# Allegro board 6089-103-RevA_73.brd (continued)
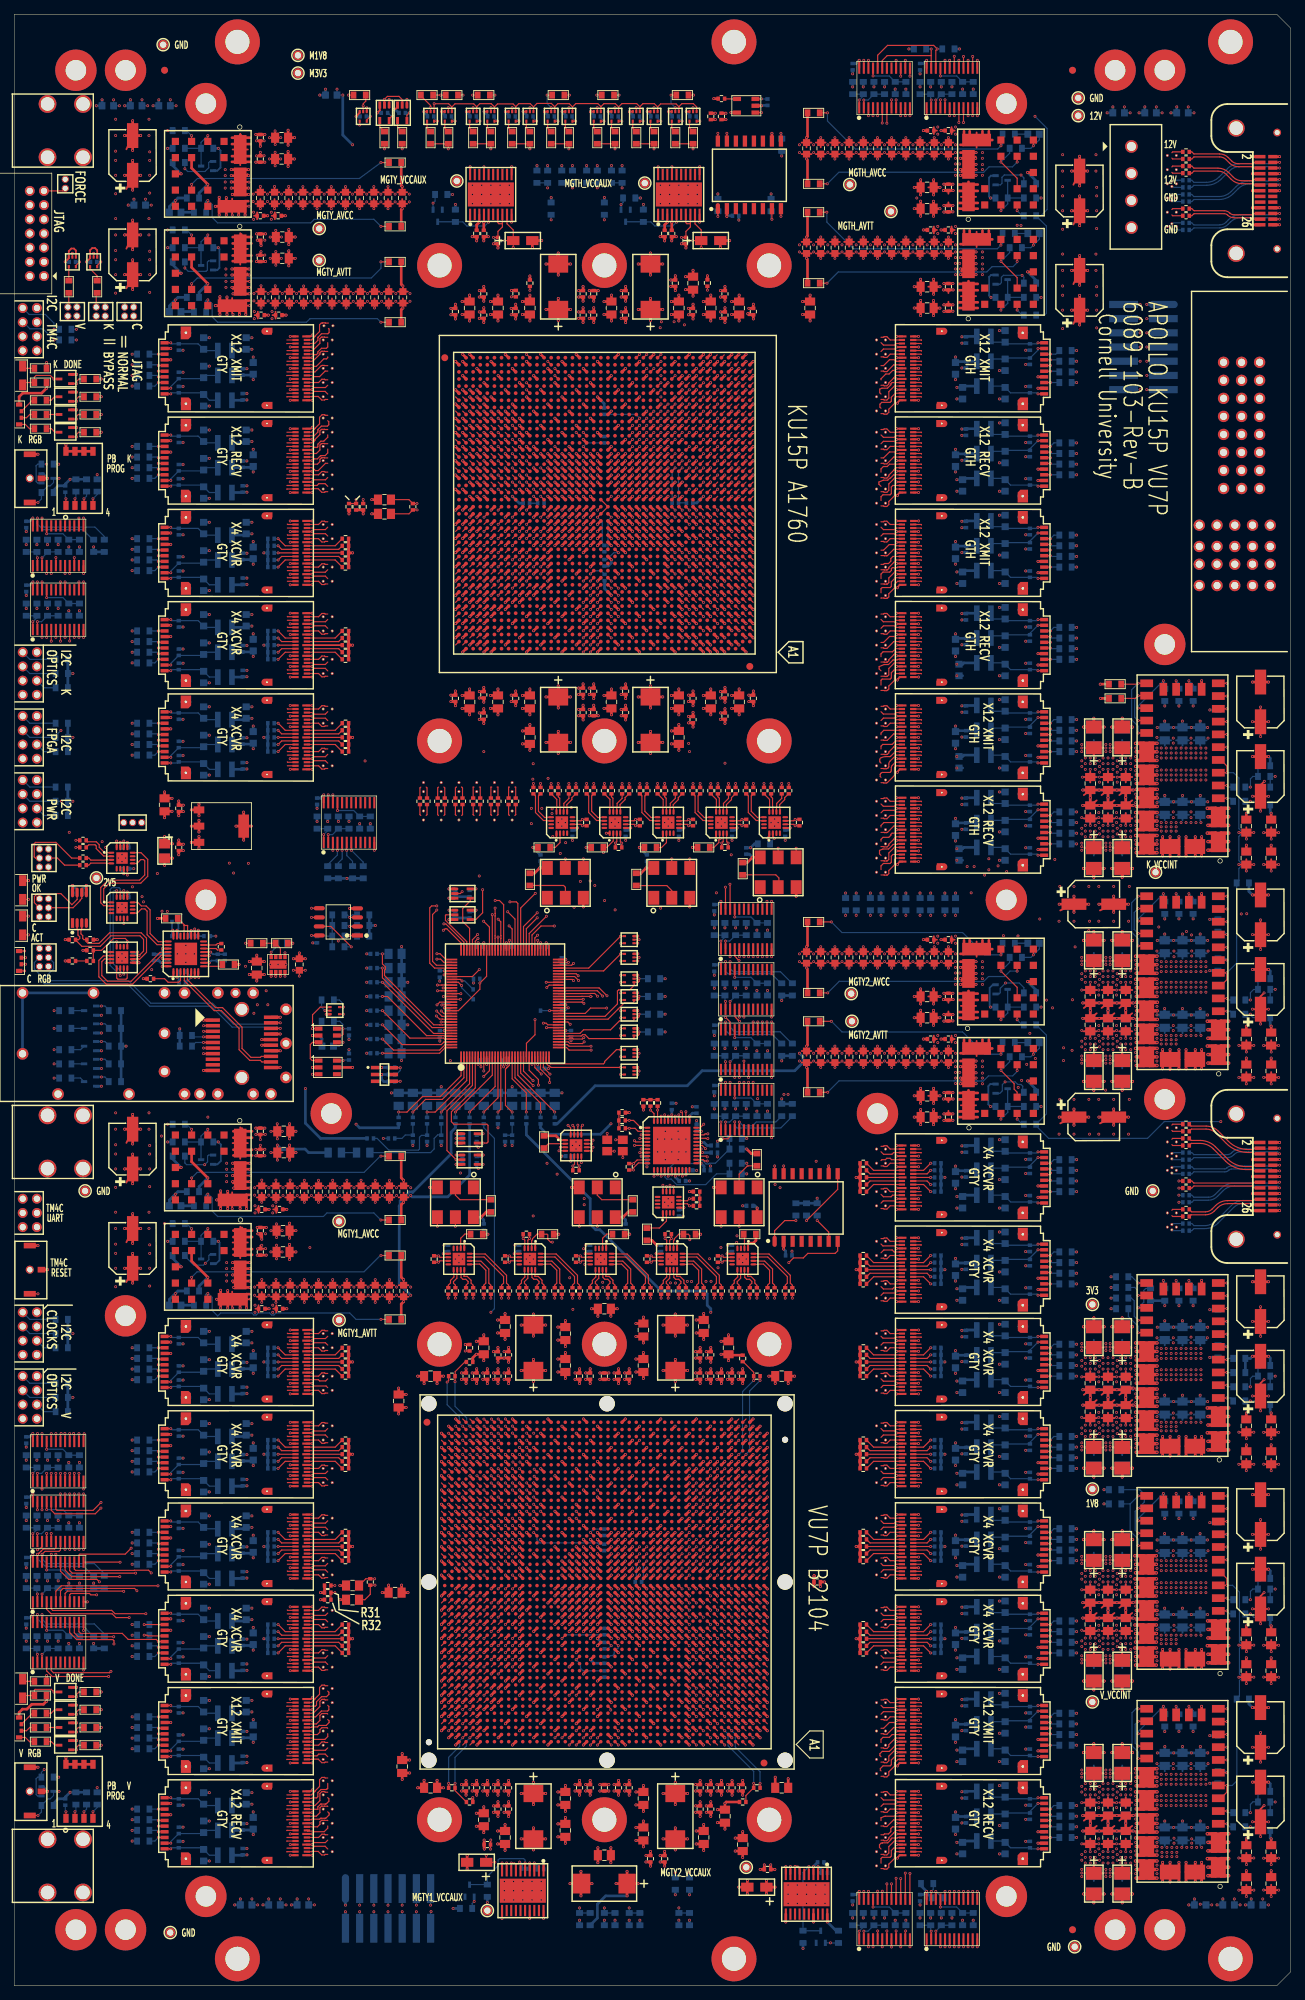
[diagram p0: board, top side]
## Routing (per net, layer and track width the routed paths; a pad name or vN(x,y) marks a point on that pad's centre or on a via; arc(x,y) is an arc through that point) (continued)
VA100.4 ; VA100.4 121.24,157.22 ; VA100.4 121.56,157.28 ; VA100.4 121.18,156.9 ; VA100.4 121.15,157.09 ; VA100.4 121.38,156.49 ; VA100.4 121.56,156.52 ; VA100.4 121.15,156.71 ; VA128.3 123.16,33.58 ; VA128.3 123.22,33.9 ; VA128.3 122.83,33.52 ; VA128.3 123.16,34.22 ; VA128.3 123.02,34.31 ; VA128.3 122.83,34.28 ; VA128.3 123.25,33.71 ; VA128.3 123.25,34.09 ; VA17.4 45.16,191.22 ; VA17.4 45.25,191.09 ; VA17.4 45.02,191.31 ; VA17.4 45.22,190.9 ; VA17.4 45.25,190.71 ; VA17.4 44.84,190.52 ; VA17.4 45.16,190.58 ; VA17.4 44.84,191.28 ; 121.24,102.58 VA106.3 ; VA106.3 121.38,102.49 ; VA106.3 121.18,102.9 ; VA106.3 121.15,102.71 ; VA106.3 121.24,103.22 ; VA106.3 121.56,103.28 ; VA106.3 121.56,102.52 ; VA106.3 121.15,103.09 ; 23.81,39.97 U29.G1 ; U29.G1 24.93,40.18 ; U29.G1 23.49,41.62 ; U29.G1 24.93,41.62 ; U29.G1 24.21,39.96 ; U29.G1 23.49,40.18 ; U29.G1 24.21,41.84 ; U29.G1 25.15,40.9 ; 43.38,35.49 43.56,35.9 ; 43.56,35.9 43.56,35.52 ; 43.56,35.9 43.24,36.22 ; 43.56,35.9 43.15,35.71 ; 43.56,35.9 43.15,36.09 ; 43.56,35.9 43.24,35.58 ; 43.56,35.9 43.18,35.9 ; 43.56,35.9 43.56,36.28 ; P1.9 173.77,211.71 ; P1.9 173.03,211.95 ; P1.9 172.05,210.97 ; P1.9 172.29,211.71 ; P1.9 172.29,210.23 ; P1.9 174.01,210.97 ; P1.9 173.77,210.23 ; P1.9 173.03,209.99 ; 43.24,92.22 43.56,91.9 ; 43.56,91.9 43.18,91.9 ; 43.56,91.9 43.56,91.52 ; 43.56,91.9 43.56,92.28 ; 43.56,91.9 43.24,91.58 ; 43.56,91.9 43.15,91.71 ; 43.56,91.9 43.15,92.09 ; 43.56,91.9 43.38,91.49 ; 65.2,168.26 65.52,167.94 ; 65.2,168.26 65.01,167.85 ; 65.2,168.26 65.2,167.88 ; 65.2,168.26 65.61,168.08 ; 65.2,168.26 65.58,168.26 ; 65.2,168.26 64.88,167.94 ; 65.2,168.26 64.82,168.26 ; 65.2,168.26 64.79,168.08 ; 149.5,4.62 PM23.1 ; PM23.1 148.62,5.5 ; PM23.1 148.83,4.83 ; PM23.1 148.83,6.17 ; PM23.1 149.5,6.38 ; PM23.1 150.17,4.83 ; PM23.1 150.38,5.5 ; PM23.1 150.17,6.17 ; J8.7 2.08,79.9 ; J8.7 1.2,79.02 ; J8.7 1.58,80.77 ; J8.7 1.2,80.78 ; J8.7 2.07,80.28 ; J8.7 1.87,79.23 ; J8.7 1.87,80.57 ; J8.7 2.07,79.52 ; 67.29,168.08 67.7,168.26 ; 67.7,168.26 67.38,167.94 ; 67.7,168.26 67.51,167.85 ; 67.7,168.26 67.32,168.26 ; 67.7,168.26 68.02,167.94 ; 67.7,168.26 68.08,168.26 ; 67.7,168.26 68.11,168.08 ; 67.7,168.26 67.7,167.88 ; 3.53,250.23 J1.11 ; J1.11 4.87,251.57 ; J1.11 3.32,250.9 ; J1.11 4.87,250.23 ; J1.11 4.2,251.78 ; J1.11 3.53,251.57 ; J1.11 5.08,250.9 ; J1.11 4.2,250.02 ; 162.15,251.71 VA140.4 ; VA140.4 162.38,251.49 ; VA140.4 162.24,252.22 ; VA140.4 162.24,251.58 ; VA140.4 162.56,251.52 ; VA140.4 162.18,251.9 ; VA140.4 162.15,252.09 ; VA140.4 162.56,252.28 ; U13.21 31.2,140.8 ; U13.21 32.1,139.9 ; U13.21 30.51,140.59 ; U13.21 31.89,140.59 ; U13.21 31.89,139.21 ; U13.21 31.2,139 ; U13.21 30.3,139.9 ; U13.21 30.51,139.21 ; 43.24,25.22 43.56,24.9 ; 43.56,24.9 43.15,25.09 ; 43.56,24.9 43.18,24.9 ; 43.56,24.9 43.15,24.71 ; 43.56,24.9 43.56,24.52 ; 43.56,24.9 43.56,25.28 ; 43.56,24.9 43.24,24.58 ; 43.56,24.9 43.38,24.49 ; 141.47,17.18 U117.G1 ; U117.G1 141.47,18.62 ; U117.G1 142.91,18.62 ; U117.G1 141.79,16.97 ; U117.G1 142.19,16.96 ; U117.G1 142.19,18.84 ; U117.G1 142.91,17.18 ; U117.G1 141.25,17.9 ; 177.07,201.82 P1.P2-1 ; P1.P2-1 176.09,202.8 ; P1.P2-1 178.05,202.8 ; P1.P2-1 176.33,203.54 ; P1.P2-1 177.81,203.54 ; P1.P2-1 177.81,202.06 ; P1.P2-1 177.07,203.78 ; P1.P2-1 176.33,202.06 ; 43.38,177.49 43.56,177.9 ; 43.56,177.9 43.56,178.28 ; 43.56,177.9 43.56,177.52 ; 43.56,177.9 43.24,178.22 ; 43.56,177.9 43.15,178.09 ; 43.56,177.9 43.24,177.58 ; 43.56,177.9 43.18,177.9 ; 43.56,177.9 43.15,177.71 ; 62.29,164.08 62.7,164.26 ; 62.7,164.26 62.51,163.85 ; 62.7,164.26 63.11,164.08 ; 62.7,164.26 63.02,163.94 ; 62.7,164.26 62.7,163.88 ; 62.7,164.26 62.32,164.26 ; 62.7,164.26 63.08,164.26 ; 62.7,164.26 62.38,163.94 ; 121.38,160.49 VA98.4 ; VA98.4 121.24,161.22 ; VA98.4 121.15,161.09 ; VA98.4 121.15,160.71 ; VA98.4 121.56,160.52 ; VA98.4 121.56,161.28 ; VA98.4 121.18,160.9 ; VA98.4 121.24,160.58 ; 43.15,77.09 43.56,76.9 ; 43.56,76.9 43.56,77.28 ; 43.56,76.9 43.56,76.52 ; 43.56,76.9 43.15,76.71 ; 43.56,76.9 43.38,76.49 ; 43.56,76.9 43.24,77.22 ; 43.56,76.9 43.24,76.58 ; 43.56,76.9 43.18,76.9 ; 23.81,52.97 U28.G1 ; U28.G1 24.21,54.84 ; U28.G1 23.49,53.18 ; U28.G1 24.93,53.18 ; U28.G1 24.21,52.96 ; U28.G1 25.15,53.9 ; U28.G1 23.49,54.62 ; U28.G1 24.93,54.62 ; 24.01,138.9 U13.39 ; U13.39 23.01,139.9 ; U13.39 25.02,139.9 ; U13.39 23.25,140.66 ; U13.39 24.77,139.14 ; U13.39 24.77,140.66 ; U13.39 23.25,139.14 ; U13.39 24.01,140.9 ; VA89.3 123.16,180.22 ; VA89.3 123.22,179.9 ; VA89.3 123.25,179.71 ; VA89.3 123.02,180.31 ; VA89.3 122.83,179.52 ; VA89.3 122.83,180.28 ; VA89.3 123.16,179.58 ; VA89.3 123.25,180.09 ; VA47.4 45.25,27.09 ; VA47.4 45.22,26.9 ; VA47.4 45.25,26.71 ; VA47.4 44.84,27.28 ; VA47.4 45.16,26.58 ; VA47.4 45.16,27.22 ; VA47.4 44.84,26.52 ; VA47.4 45.02,27.31 ; 4.2,244.02 J1.5 ; J1.5 3.53,245.57 ; J1.5 4.2,245.78 ; J1.5 3.53,244.23 ; J1.5 5.08,244.9 ; J1.5 3.32,244.9 ; J1.5 4.87,245.57 ; J1.5 4.87,244.23 ; VA122.4 123.02,51.31 ; VA122.4 123.16,51.22 ; VA122.4 122.83,51.28 ; VA122.4 123.25,50.71 ; VA122.4 122.83,50.52 ; VA122.4 123.22,50.9 ; VA122.4 123.16,50.58 ; VA122.4 123.25,51.09 ; 23.49,31.62 U29.G2 ; U29.G2 23.81,29.97 ; U29.G2 23.49,30.18 ; U29.G2 24.93,30.18 ; U29.G2 24.21,29.96 ; U29.G2 24.93,31.62 ; U29.G2 24.21,31.84 ; U29.G2 25.15,30.9 ; 2.32,230.4 J2.8 ; J2.8 2.53,229.73 ; J2.8 3.2,231.28 ; J2.8 3.2,229.52 ; J2.8 2.53,231.07 ; J2.8 4.08,230.4 ; J2.8 3.87,231.07 ; J2.8 3.87,229.73 ; 43.15,186.71 43.56,186.9 ; 43.56,186.9 43.56,187.28 ; 43.56,186.9 43.24,187.22 ; 43.56,186.9 43.38,186.49 ; 43.56,186.9 43.24,186.58 ; 43.56,186.9 43.56,186.52 ; 43.56,186.9 43.18,186.9 ; 43.56,186.9 43.15,187.09 ; 163.84,247.9 163.84,248.28 ; 163.84,247.9 164.25,247.71 ; 163.84,247.9 164.16,247.58 ; 163.84,247.9 164.22,247.9 ; 163.84,247.9 164.25,248.09 ; 163.84,247.9 164.16,248.22 ; 163.84,247.9 163.84,247.52 ; 163.84,247.9 164.02,248.31 ; VA79.3 123.25,202.09 ; VA79.3 123.25,201.71 ; VA79.3 122.83,202.28 ; VA79.3 123.16,201.58 ; VA79.3 123.16,202.22 ; VA79.3 123.02,202.31 ; VA79.3 123.22,201.9 ; VA79.3 122.83,201.52 ; 121.15,230.09 VA66.4 ; VA66.4 121.38,229.49 ; VA66.4 121.24,229.58 ; VA66.4 121.18,229.9 ; VA66.4 121.24,230.22 ; VA66.4 121.56,229.52 ; VA66.4 121.15,229.71 ; VA66.4 121.56,230.28 ; 171.33,202.06 P1.P2-5 ; P1.P2-5 172.81,203.54 ; P1.P2-5 172.07,203.78 ; P1.P2-5 171.33,203.54 ; P1.P2-5 172.07,201.82 ; P1.P2-5 171.09,202.8 ; P1.P2-5 172.81,202.06 ; P1.P2-5 173.05,202.8 ; VA51.4 45.16,19.22 ; VA51.4 45.25,19.09 ; VA51.4 44.84,19.28 ; VA51.4 45.25,18.71 ; VA51.4 44.84,18.52 ; VA51.4 45.22,18.9 ; VA51.4 45.16,18.58 ; VA51.4 45.02,19.31 ; 43.15,31.71 43.56,31.9 ; 43.56,31.9 43.24,31.58 ; 43.56,31.9 43.15,32.09 ; 43.56,31.9 43.18,31.9 ; 43.56,31.9 43.56,32.28 ; 43.56,31.9 43.24,32.22 ; 43.56,31.9 43.38,31.49 ; 43.56,31.9 43.56,31.52 ; 121.15,201.71 VA79.4 ; VA79.4 121.38,201.49 ; VA79.4 121.18,201.9 ; VA79.4 121.56,201.52 ; VA79.4 121.24,201.58 ; VA79.4 121.24,202.22 ; VA79.4 121.56,202.28 ; VA79.4 121.15,202.09 ; P1.12 173.77,217.85 ; P1.12 173.03,219.57 ; P1.12 172.29,219.33 ; P1.12 173.77,219.33 ; P1.12 172.29,217.85 ; P1.12 172.05,218.59 ; P1.12 173.03,217.61 ; P1.12 174.01,218.59 ; 43.24,214.58 43.56,214.9 ; 43.56,214.9 43.38,214.49 ; 43.56,214.9 43.56,214.52 ; 43.56,214.9 43.15,215.09 ; 43.56,214.9 43.56,215.28 ; 43.56,214.9 43.18,214.9 ; 43.56,214.9 43.24,215.22 ; 43.56,214.9 43.15,214.71 ; VA75.3 123.25,211.09 ; VA75.3 123.16,210.58 ; VA75.3 123.02,211.31 ; VA75.3 123.22,210.9 ; VA75.3 122.83,211.28 ; VA75.3 123.16,211.22 ; VA75.3 122.83,210.52 ; VA75.3 123.25,210.71 ; 141.47,31.62 U116.G1 ; U116.G1 141.25,30.9 ; U116.G1 142.91,31.62 ; U116.G1 142.19,31.84 ; U116.G1 142.91,30.18 ; U116.G1 141.47,30.18 ; U116.G1 141.79,29.97 ; U116.G1 142.19,29.96 ; VA16.4 45.25,192.71 ; VA16.4 44.84,193.28 ; VA16.4 45.16,192.58 ; VA16.4 45.25,193.09 ; VA16.4 45.22,192.9 ; VA16.4 45.16,193.22 ; VA16.4 45.02,193.31 ; VA16.4 44.84,192.52 ; 43.15,221.09 43.56,220.9 ; 43.56,220.9 43.24,221.22 ; 43.56,220.9 43.38,220.49 ; 43.56,220.9 43.24,220.58 ; 43.56,220.9 43.18,220.9 ; 43.56,220.9 43.56,220.52 ; 43.56,220.9 43.56,221.28 ; 43.56,220.9 43.15,220.71 ; 43.18,89.9 43.56,89.9 ; 43.56,89.9 43.56,90.28 ; 43.56,89.9 43.24,89.58 ; 43.56,89.9 43.15,89.71 ; 43.56,89.9 43.24,90.22 ; 43.56,89.9 43.38,89.49 ; 43.56,89.9 43.15,90.09 ; 43.56,89.9 43.56,89.52 ; 121.24,77.22 VA114.3 ; VA114.3 121.56,76.52 ; VA114.3 121.15,76.71 ; VA114.3 121.38,76.49 ; VA114.3 121.24,76.58 ; VA114.3 121.56,77.28 ; VA114.3 121.15,77.09 ; VA114.3 121.18,76.9 ; J8.8 3.87,79.23 ; J8.8 4.08,79.9 ; J8.8 2.32,79.9 ; J8.8 2.53,80.57 ; J8.8 3.2,79.02 ; J8.8 2.53,79.23 ; J8.8 3.2,80.78 ; J8.8 3.87,80.57 ; VA71.3 123.25,218.71 ; VA71.3 123.16,219.22 ; VA71.3 123.02,219.31 ; VA71.3 122.83,218.52 ; VA71.3 122.83,219.28 ; VA71.3 123.22,218.9 ; VA71.3 123.16,218.58 ; VA71.3 123.25,219.09 ; VA73.3 123.25,215.09 ; VA73.3 123.22,214.9 ; VA73.3 123.16,214.58 ; VA73.3 123.25,214.71 ; VA73.3 123.02,215.31 ; VA73.3 122.83,215.28 ; VA73.3 123.16,215.22 ; VA73.3 122.83,214.52 ; 141.47,95.18 U111.G1 ; U111.G1 142.19,96.84 ; U111.G1 141.47,96.62 ; U111.G1 142.91,95.18 ; U111.G1 141.79,94.97 ; U111.G1 142.91,96.62 ; U111.G1 141.25,95.9 ; U111.G1 142.19,94.96 ; U13.25 39.32,127.99 ; U13.25 37.31,127.99 ; U13.25 37.55,128.75 ; U13.25 38.31,126.98 ; U13.25 37.55,127.23 ; U13.25 38.31,128.99 ; U13.25 39.07,128.75 ; U13.25 39.07,127.23 ; 121.15,187.09 VA86.4 ; VA86.4 121.15,186.71 ; VA86.4 121.18,186.9 ; VA86.4 121.24,186.58 ; VA86.4 121.24,187.22 ; VA86.4 121.56,186.52 ; VA86.4 121.56,187.28 ; VA86.4 121.38,186.49 ; VA120.3 122.83,58.28 ; VA120.3 123.16,57.58 ; VA120.3 122.83,57.52 ; VA120.3 123.22,57.9 ; VA120.3 123.02,58.31 ; VA120.3 123.16,58.22 ; VA120.3 123.25,58.09 ; VA120.3 123.25,57.71 ; U30.G2 24.21,18.84 ; U30.G2 24.93,18.62 ; U30.G2 23.49,17.18 ; U30.G2 24.93,17.18 ; U30.G2 23.49,18.62 ; U30.G2 25.15,17.9 ; U30.G2 24.21,16.96 ; U30.G2 23.81,16.97 ; PM26.1 22.67,8.17 ; PM26.1 22,6.62 ; PM26.1 22.67,6.83 ; PM26.1 21.33,8.17 ; PM26.1 22,8.38 ; PM26.1 22.88,7.5 ; PM26.1 21.12,7.5 ; PM26.1 21.33,6.83 ; 4.2,242.02 J1.3 ; J1.3 4.2,243.78 ; J1.3 4.87,242.23 ; J1.3 4.87,243.57 ; J1.3 3.32,242.9 ; J1.3 3.53,243.57 ; J1.3 3.53,242.23 ; J1.3 5.08,242.9 ; 44.84,205.52 VA12.4 ; VA12.4 45.16,205.58 ; VA12.4 45.02,206.31 ; VA12.4 45.22,205.9 ; VA12.4 45.16,206.22 ; VA12.4 45.25,205.71 ; VA12.4 45.25,206.09 ; VA12.4 44.84,206.28 ; 43.56,225.52 43.56,225.9 ; 43.56,225.9 43.38,225.49 ; 43.56,225.9 43.18,225.9 ; 43.56,225.9 43.15,226.09 ; 43.56,225.9 43.56,226.28 ; 43.56,225.9 43.24,226.22 ; 43.56,225.9 43.15,225.71 ; 43.56,225.9 43.24,225.58 ; VA129.3 123.16,31.58 ; VA129.3 123.16,32.22 ; VA129.3 122.83,32.28 ; VA129.3 123.25,31.71 ; VA129.3 123.22,31.9 ; VA129.3 123.25,32.09 ; VA129.3 122.83,31.52 ; VA129.3 123.02,32.31 ; VA26.3 45.25,86.09 ; VA26.3 45.22,85.9 ; VA26.3 45.16,85.58 ; VA26.3 45.02,86.31 ; VA26.3 44.84,86.28 ; VA26.3 45.16,86.22 ; VA26.3 45.25,85.71 ; VA26.3 44.84,85.52 ; 122.83,160.52 VA98.3 ; VA98.3 123.02,161.31 ; VA98.3 123.16,161.22 ; VA98.3 123.25,161.09 ; VA98.3 123.25,160.71 ; VA98.3 123.16,160.58 ; VA98.3 122.83,161.28 ; VA98.3 123.22,160.9 ; VA20.4 45.16,179.58 ; VA20.4 45.02,180.31 ; VA20.4 45.16,180.22 ; VA20.4 45.25,179.71 ; VA20.4 44.84,180.28 ; VA20.4 45.22,179.9 ; VA20.4 45.25,180.09 ; VA20.4 44.84,179.52 ; 59.88,169.86 VA55.4 ; VA55.4 59.79,169.72 ; VA55.4 60.2,169.92 ; VA55.4 60.52,169.86 ; VA55.4 60.58,169.53 ; VA55.4 60.61,169.72 ; VA55.4 59.82,169.53 ; VA55.4 60.39,169.95 ; 166.09,202.8 P1.P2-9 ; P1.P2-9 166.33,203.54 ; P1.P2-9 167.07,203.78 ; P1.P2-9 167.07,201.82 ; P1.P2-9 168.05,202.8 ; P1.P2-9 167.81,203.54 ; P1.P2-9 166.33,202.06 ; P1.P2-9 167.81,202.06 ; 141.47,118.18 U110.G2 ; U110.G2 142.19,119.84 ; U110.G2 141.25,118.9 ; U110.G2 142.19,117.96 ; U110.G2 141.47,119.62 ; U110.G2 142.91,118.18 ; U110.G2 142.91,119.62 ; U110.G2 141.79,117.97 ; VA61.4 67.7,169.92 ; VA61.4 67.38,169.86 ; VA61.4 68.02,169.86 ; VA61.4 67.29,169.72 ; VA61.4 67.89,169.95 ; VA61.4 68.11,169.72 ; VA61.4 67.32,169.53 ; VA61.4 68.08,169.53 ; VA101.4 123.16,117.58 ; VA101.4 123.02,118.31 ; VA101.4 122.83,118.28 ; VA101.4 123.25,118.09 ; VA101.4 123.25,117.71 ; VA101.4 123.16,118.22 ; VA101.4 123.22,117.9 ; VA101.4 122.83,117.52 ; VA116.3 122.83,71.28 ; VA116.3 123.02,71.31 ; VA116.3 122.83,70.52 ; VA116.3 123.16,71.22 ; VA116.3 123.22,70.9 ; VA116.3 123.16,70.58 ; VA116.3 123.25,70.71 ; VA116.3 123.25,71.09 ; VA21.4 45.22,177.9 ; VA21.4 45.02,178.31 ; VA21.4 44.84,177.52 ; VA21.4 45.16,177.58 ; VA21.4 45.16,178.22 ; VA21.4 45.25,177.71 ; VA21.4 45.25,178.09 ; VA21.4 44.84,178.28 ; VA25.4 45.22,89.9 ; VA25.4 45.25,90.09 ; VA25.4 45.16,89.58 ; VA25.4 45.16,90.22 ; VA25.4 45.25,89.71 ; VA25.4 44.84,90.28 ; VA25.4 44.84,89.52 ; VA25.4 45.02,90.31 ; J1.9 4.2,249.78 ; J1.9 4.2,248.02 ; J1.9 4.87,249.57 ; J1.9 5.08,248.9 ; J1.9 3.53,249.57 ; J1.9 3.32,248.9 ; J1.9 4.87,248.23 ; J1.9 3.53,248.23 ; VA136.3 123.16,16.58 ; VA136.3 122.83,17.28 ; VA136.3 123.25,16.71 ; VA136.3 122.83,16.52 ; VA136.3 123.22,16.9 ; VA136.3 123.16,17.22 ; VA136.3 123.25,17.09 ; VA136.3 123.02,17.31 ; VA135.3 123.16,19.22 ; VA135.3 123.16,18.58 ; VA135.3 122.83,18.52 ; VA135.3 123.22,18.9 ; VA135.3 123.25,19.09 ; VA135.3 123.25,18.71 ; VA135.3 123.02,19.31 ; VA135.3 122.83,19.28 ; VA13.4 45.25,203.71 ; VA13.4 44.84,203.52 ; VA13.4 44.84,204.28 ; VA13.4 45.02,204.31 ; VA13.4 45.16,204.22 ; VA13.4 45.25,204.09 ; VA13.4 45.16,203.58 ; VA13.4 45.22,203.9 ; VA123.3 123.02,47.31 ; VA123.3 123.25,47.09 ; VA123.3 122.83,47.28 ; VA123.3 123.22,46.9 ; VA123.3 123.25,46.71 ; VA123.3 122.83,46.52 ; VA123.3 123.16,47.22 ; VA123.3 123.16,46.58 ; VA99.3 123.25,158.71 ; VA99.3 123.16,159.22 ; VA99.3 123.25,159.09 ; VA99.3 123.22,158.9 ; VA99.3 122.83,158.52 ; VA99.3 122.83,159.28 ; VA99.3 123.02,159.31 ; VA99.3 123.16,158.58 ; 121.56,24.52 VA132.4 ; VA132.4 121.15,25.09 ; VA132.4 121.15,24.71 ; VA132.4 121.38,24.49 ; VA132.4 121.18,24.9 ; VA132.4 121.56,25.28 ; VA132.4 121.24,25.22 ; VA132.4 121.24,24.58 ; VA127.3 123.16,35.58 ; VA127.3 123.25,36.09 ; VA127.3 122.83,36.28 ; VA127.3 123.02,36.31 ; VA127.3 123.16,36.22 ; VA127.3 123.25,35.71 ; VA127.3 122.83,35.52 ; VA127.3 123.22,35.9 ; VA105.4 122.83,105.28 ; VA105.4 122.83,104.52 ; VA105.4 123.16,105.22 ; VA105.4 123.02,105.31 ; VA105.4 123.25,105.09 ; VA105.4 123.22,104.9 ; VA105.4 123.25,104.71 ; VA105.4 123.16,104.58 ; VA50.4 45.16,20.58 ; VA50.4 45.22,20.9 ; VA50.4 45.02,21.31 ; VA50.4 44.84,21.28 ; VA50.4 45.25,20.71 ; VA50.4 45.16,21.22 ; VA50.4 45.25,21.09 ; VA50.4 44.84,20.52 ; 141.47,220.62 U105.G2 ; U105.G2 142.19,220.84 ; U105.G2 141.47,219.18 ; U105.G2 141.25,219.9 ; U105.G2 141.79,218.97 ; U105.G2 142.19,218.96 ; U105.G2 142.91,220.62 ; U105.G2 142.91,219.18 ; 43.56,37.52 43.56,37.9 ; 43.56,37.9 43.38,37.49 ; 43.56,37.9 43.18,37.9 ; 43.56,37.9 43.56,38.28 ; 43.56,37.9 43.15,37.71 ; 43.56,37.9 43.24,38.22 ; 43.56,37.9 43.24,37.58 ; 43.56,37.9 43.15,38.09 ; U13.31 16.86,124.98 ; U13.31 15.31,125.65 ; U13.31 15.52,124.98 ; U13.31 16.19,126.53 ; U13.31 15.52,126.32 ; U13.31 17.07,125.65 ; U13.31 16.86,126.32 ; U13.31 16.19,124.77 ; U25.G1 24.93,93.62 ; U25.G1 23.81,91.97 ; U25.G1 23.49,93.62 ; U25.G1 24.21,93.84 ; U25.G1 23.49,92.18 ; U25.G1 24.93,92.18 ; U25.G1 25.15,92.9 ; U25.G1 24.21,91.96 ; 121.15,109.71 VA104.4 ; VA104.4 121.56,110.28 ; VA104.4 121.18,109.9 ; VA104.4 121.38,109.49 ; VA104.4 121.56,109.52 ; VA104.4 121.24,110.22 ; VA104.4 121.24,109.58 ; VA104.4 121.15,110.09 ; U27.G2 25.15,56.9 ; U27.G2 23.49,57.62 ; U27.G2 23.49,56.18 ; U27.G2 24.93,57.62 ; U27.G2 24.93,56.18 ; U27.G2 23.81,55.97 ; U27.G2 24.21,57.84 ; U27.G2 24.21,55.96 ; 163.84,251.9 164.16,252.22 ; 163.84,251.9 164.02,252.31 ; 163.84,251.9 163.84,251.52 ; 163.84,251.9 164.25,251.71 ; 163.84,251.9 163.84,252.28 ; 163.84,251.9 164.22,251.9 ; 163.84,251.9 164.25,252.09 ; 163.84,251.9 164.16,251.58 ; VA74.4 121.56,213.28 ; VA74.4 121.15,213.09 ; VA74.4 121.24,212.58 ; VA74.4 121.15,212.71 ; VA74.4 121.56,212.52 ; VA74.4 121.38,212.49 ; VA74.4 121.18,212.9 ; VA74.4 121.24,213.22 ; VA14.3 45.25,200.09 ; VA14.3 45.02,200.31 ; VA14.3 45.22,199.9 ; VA14.3 44.84,200.28 ; VA14.3 44.84,199.52 ; VA14.3 45.25,199.71 ; VA14.3 45.16,200.22 ; VA14.3 45.16,199.58 ; J12.1 7.2,255.22 ; J12.1 7.5,255.23 ; J12.1 6.51,254.53 ; J12.1 6.66,254 ; J12.1 7.89,254.53 ; J12.1 7.74,254 ; J12.1 7.74,255.07 ; J12.1 6.66,255.07 ; 122.83,166.52 VA95.3 ; VA95.3 123.25,166.71 ; VA95.3 123.16,166.58 ; VA95.3 123.25,167.09 ; VA95.3 122.83,167.28 ; VA95.3 123.16,167.22 ; VA95.3 123.02,167.31 ; VA95.3 123.22,166.9 ; 122.83,109.52 VA104.3 ; VA104.3 123.25,110.09 ; VA104.3 123.22,109.9 ; VA104.3 123.25,109.71 ; VA104.3 123.02,110.31 ; VA104.3 122.83,110.28 ; VA104.3 123.16,110.22 ; VA104.3 123.16,109.58 ; VA77.3 123.16,206.22 ; VA77.3 123.22,205.9 ; VA77.3 123.25,205.71 ; VA77.3 122.83,206.28 ; VA77.3 123.02,206.31 ; VA77.3 123.25,206.09 ; VA77.3 123.16,205.58 ; VA77.3 122.83,205.52 ; VA102.4 123.25,116.09 ; VA102.4 123.22,115.9 ; VA102.4 122.83,115.52 ; VA102.4 123.25,115.71 ; VA102.4 123.16,115.58 ; VA102.4 122.83,116.28 ; VA102.4 123.02,116.31 ; VA102.4 123.16,116.22 ; 121.38,39.49 VA125.4 ; VA125.4 121.18,39.9 ; VA125.4 121.24,40.22 ; VA125.4 121.56,39.52 ; VA125.4 121.15,40.09 ; VA125.4 121.15,39.71 ; VA125.4 121.24,39.58 ; VA125.4 121.56,40.28 ; 62.29,168.08 62.7,168.26 ; 62.7,168.26 62.32,168.26 ; 62.7,168.26 62.51,167.85 ; 62.7,168.26 62.7,167.88 ; 62.7,168.26 62.38,167.94 ; 62.7,168.26 63.08,168.26 ; 62.7,168.26 63.02,167.94 ; 62.7,168.26 63.11,168.08 ; 43.56,33.52 43.56,33.9 ; 43.56,33.9 43.24,33.58 ; 43.56,33.9 43.56,34.28 ; 43.56,33.9 43.15,34.09 ; 43.56,33.9 43.18,33.9 ; 43.56,33.9 43.24,34.22 ; 43.56,33.9 43.15,33.71 ; 43.56,33.9 43.38,33.49 ; U27.G1 24.93,67.62 ; U27.G1 23.49,67.62 ; U27.G1 24.21,65.96 ; U27.G1 24.21,67.84 ; U27.G1 23.81,65.97 ; U27.G1 25.15,66.9 ; U27.G1 24.93,66.18 ; U27.G1 23.49,66.18 ; 43.24,86.22 43.56,85.9 ; 43.56,85.9 43.18,85.9 ; 43.56,85.9 43.56,86.28 ; 43.56,85.9 43.38,85.49 ; 43.56,85.9 43.24,85.58 ; 43.56,85.9 43.56,85.52 ; 43.56,85.9 43.15,85.71 ; 43.56,85.9 43.15,86.09 ; PM25.1 10.67,112.67 ; PM25.1 9.33,112.67 ; PM25.1 10,111.12 ; PM25.1 10,112.88 ; PM25.1 9.33,111.33 ; PM25.1 10.88,112 ; PM25.1 9.12,112 ; PM25.1 10.67,111.33 ; 23.81,42.97 U28.G2 ; U28.G2 25.15,43.9 ; U28.G2 24.21,44.84 ; U28.G2 23.49,43.18 ; U28.G2 23.49,44.62 ; U28.G2 24.21,42.96 ; U28.G2 24.93,44.62 ; U28.G2 24.93,43.18 ; 43.56,41.9 43.56,42.28 ; 43.56,41.9 43.24,42.22 ; 43.56,41.9 43.15,42.09 ; 43.56,41.9 43.15,41.71 ; 43.56,41.9 43.18,41.9 ; 43.56,41.9 43.56,41.52 ; 43.56,41.9 43.38,41.49 ; 43.56,41.9 43.24,41.58 ; VA110.4 123.16,89.58 ; VA110.4 123.25,89.71 ; VA110.4 123.02,90.31 ; VA110.4 122.83,90.28 ; VA110.4 123.16,90.22 ; VA110.4 123.25,90.09 ; VA110.4 122.83,89.52 ; VA110.4 123.22,89.9 ; 141.47,54.62 U115.G2 ; U115.G2 141.47,53.18 ; U115.G2 142.19,54.84 ; U115.G2 141.25,53.9 ; U115.G2 142.91,53.18 ; U115.G2 142.19,52.96 ; U115.G2 141.79,52.97 ; U115.G2 142.91,54.62 ; VA107.3 123.25,99.09 ; VA107.3 123.16,98.58 ; VA107.3 122.83,99.28 ; VA107.3 123.22,98.9 ; VA107.3 123.25,98.71 ; VA107.3 122.83,98.52 ; VA107.3 123.02,99.31 ; VA107.3 123.16,99.22 ; 121.15,226.09 VA68.4 ; VA68.4 121.38,225.49 ; VA68.4 121.18,225.9 ; VA68.4 121.56,225.52 ; VA68.4 121.56,226.28 ; VA68.4 121.24,226.22 ; VA68.4 121.24,225.58 ; VA68.4 121.15,225.71 ; 141.47,210.62 U105.G1 ; U105.G1 142.19,208.96 ; U105.G1 142.91,209.18 ; U105.G1 141.47,209.18 ; U105.G1 141.79,208.97 ; U105.G1 142.91,210.62 ; U105.G1 141.25,209.9 ; U105.G1 142.19,210.84 ; 121.24,162.58 VA97.4 ; VA97.4 121.18,162.9 ; VA97.4 121.56,162.52 ; VA97.4 121.56,163.28 ; VA97.4 121.24,163.22 ; VA97.4 121.15,162.71 ; VA97.4 121.15,163.09 ; VA97.4 121.38,162.49 ; J5.8 3.87,164.57 ; J5.8 3.2,164.78 ; J5.8 2.53,163.23 ; J5.8 3.2,163.02 ; J5.8 4.08,163.9 ; J5.8 2.32,163.9 ; J5.8 3.87,163.23 ; J5.8 2.53,164.57 ; 162.24,255.58 VA138.4 ; VA138.4 162.15,256.09 ; VA138.4 162.56,255.52 ; VA138.4 162.24,256.22 ; VA138.4 162.15,255.71 ; VA138.4 162.18,255.9 ; VA138.4 